# Allegro board gps_interface_boardv49dc.brd (continued)
## Routing (per net, layer and track width the routed paths; a pad name or vN(x,y) marks a point on that pad's centre or on a via; arc(x,y) is an arc through that point) (continued)
FMC.RECOV_DATA_N2: length 188.9
  TOP w0.33: v1(237.81,104.62) 238.25,105.06 238.25,107.73 237.84,108.14 237.84,110.46 237.71,110.59 J18.12
  SIG w0.203: TP58.1 251.21,96.05 251,96.25 240.27,96.25 238.33,98.2 238.33,104.11 v1(237.81,104.62)
  BOTTOM w0.33: J8.H32 138.16,13.7 138.16,27.66 176.01,65.51 186.06,65.51 196.37,75.82 196.37,85.17 203.48,92.28 216.97,92.28 220.55,88.7 229.75,88.7 238.25,97.2 238.25,104.18 v1(237.81,104.62)
FMC.RECOV_DATA_N3: length 164.6
  TOP w0.33: J19.12 208.47,110.59 208.61,110.46 208.61,108.14 209.02,107.73 209.02,105.06 v1(208.58,104.62)
  SIG w0.203: v1(208.58,104.62) 209.08,104.12 209.08,98.59 211.42,96.25 223.65,96.25 223.85,96.05 TP59.1
  BOTTOM w0.33: J8.H35 134.35,13.7 134.35,27.08 175.57,68.3 186.04,68.3 194.11,76.37 194.11,92.7 198.23,96.82 206.41,96.82 209.02,99.43 209.02,104.18 208.7,104.5 v1(208.58,104.62)
FMC.RECOV_DATA_N4: length 143.8
  TOP w0.33: J20.12 186.17,110.59 186.31,110.46 186.31,108.14 186.72,107.73 186.72,105.06 v1(186.28,104.62)
  SIG w0.203: TP60.1 199.77,96.05 199.57,96.25 189.9,96.25 186.78,99.38 186.78,104.12 v1(186.28,104.62)
  BOTTOM w0.33: J8.H38 130.54,13.7 130.54,26.15 176.05,71.65 176.05,86.44 186.72,97.1 186.72,104.18 v1(186.28,104.62)
FMC.RECOV_DATA_N5: length 133.3
  TOP w0.33: v1(131.44,11.14) 131.44,11.76 131.81,12.13 131.81,13.38 130.81,14.38 130.81,25.04 154,48.23 154,84.75 164.59,95.34 164.59,98.86 ; J21.12 164.05,110.59 164.18,110.46 164.18,108.74 164.59,108.33 164.59,98.86 ; 164.59,98.86 v1(164.15,98.42)
  SIG w0.203: v1(164.15,98.42) 164.62,97.96 164.62,97.26 165.62,96.25 177.37,96.25 177.57,96.05 TP61.1
  BOTTOM w0.33: J8.G37 v1(131.44,11.14)
FMC.RECOV_DATA_P0: length 246.4
  TOP w0.33: v1(283.6,104.67) 283.16,105.11 283.16,108 282.75,108.41 282.75,110.51 282.88,110.64 J13.13
  SIG w0.203: v1(283.6,104.67) 283.1,104.17 283.1,100.13 286.57,96.66 297.28,96.66 297.48,96.86 297.48,98.04 TP50.1
  BOTTOM w0.33: v1(283.6,104.67) 283.16,104.23 283.16,96.88 293.42,86.61 293.42,73.82 287.44,67.84 259.18,67.84 251.05,59.72 177.2,59.72 146.32,28.83 146.32,13.7 J8.H25
FMC.RECOV_DATA_P1: length 207.6
  TOP w0.33: J14.13 260.81,110.59 260.68,110.46 260.68,108.36 261.09,107.95 261.09,105.06 v1(261.53,104.62)
  SIG w0.203: v1(261.53,104.62) 260.99,104.08 260.99,101.18 265.51,96.66 273.38,96.66 273.58,96.86 TP51.1
  BOTTOM w0.33: v1(261.53,104.62) 261.09,104.18 261.09,95.79 254.27,88.98 247.53,88.98 245.32,91.19 235.32,91.19 230.9,86.77 218.6,86.77 215.48,89.89 204.34,89.89 198.6,84.16 198.6,75.01 185.56,61.98 176.41,61.98 142.51,28.07 142.51,13.7 J8.H28
FMC.RECOV_DATA_P2: length 188.2
  TOP w0.33: v1(239.23,104.62) 238.79,105.06 238.79,107.95 238.38,108.36 238.38,110.46 238.51,110.59 J18.13
  SIG w0.203: v1(239.23,104.62) 238.73,104.13 238.73,98.36 240.44,96.66 251,96.66 251.21,96.86 TP52.1
  BOTTOM w0.33: v1(239.23,104.62) 238.79,104.18 238.79,96.98 229.97,88.16 220.33,88.16 216.75,91.74 203.7,91.74 196.9,84.95 196.9,75.6 186.28,64.97 176.23,64.97 138.7,27.44 138.7,13.7 J8.H31
FMC.RECOV_DATA_P3: length 163.9
  TOP w0.33: J19.13 209.27,110.59 209.14,110.46 209.14,108.36 209.55,107.95 209.55,105.06 v1(209.99,104.62)
  SIG w0.203: TP53.1 223.85,96.86 223.65,96.66 211.59,96.66 209.49,98.76 209.49,104.12 v1(209.99,104.62)
  BOTTOM w0.33: v1(209.99,104.62) 209.55,104.18 209.55,99.21 206.63,96.29 198.45,96.29 194.64,92.48 194.64,76.15 186.26,67.77 175.79,67.77 134.89,26.86 134.89,13.7 J8.H34
FMC.RECOV_DATA_P4: length 143.1
  TOP w0.33: J20.13 186.97,110.59 186.84,110.46 186.84,108.36 187.25,107.95 187.25,105.06 v1(187.69,104.62)
  SIG w0.203: TP54.1 199.77,98.04 199.77,96.86 199.57,96.66 190.07,96.66 187.19,99.55 187.19,104.12 v1(187.69,104.62)
  BOTTOM w0.33: J8.H37 131.08,13.7 131.08,25.92 176.58,71.43 176.58,86.22 187.25,96.88 187.25,104.18 v1(187.69,104.62)
FMC.RECOV_DATA_P5: length 132.6
  TOP w0.33: v1(165.57,98.42) 165.13,98.86 ; 165.13,98.86 165.13,108.55 164.72,108.96 164.72,110.46 164.85,110.59 J21.13 ; 165.13,98.86 165.13,95.12 154.53,84.53 154.53,48.01 131.34,24.82 131.34,14.61 132.35,13.6 132.35,12.13 132.72,11.76 v1(132.72,11.14)
  SIG w0.203: v1(165.57,98.42) 165.02,97.88 165.02,97.43 165.79,96.66 177.37,96.66 177.57,96.86 TP55.1
  BOTTOM w0.33: J8.G36 v1(132.72,11.14)
FMC.SCL0: length 442.3
  TOP w0.203: v1(70,116.76) TP45.1 80.19,115.01 83.41,115.01 87.14,111.29 U19.5 ; v1(108.81,73.33) 110.26,74.77 U48.16 ; v1(202.56,32.28) 202.96,31.89 202.96,14.29 201.78,13.12 U52.22 197.57,13.12 196.52,12.06 196.52,8.64 198.3,6.86 217.3,6.86 219.15,8.71 219.15,11.91 217.81,13.26 215.94,13.26 U53.22 ; U8.6 v1(30.25,60.68) ; v1(30.25,82.93) 18.34,82.93 17.2,84.07 17.2,88.7 16.74,89.15 U46.2 ; U10.6 66.03,81.55 66.65,82.17 v1(69.98,82.17) ; U13.6 v1(69.98,55.45)
  SIG w0.203: 108.81,63.7 107.67,62.56 101.9,62.56 98.63,65.84 98.63,70.89 97.28,72.24 94.79,72.24 91.9,75.13 77.01,75.13 v1(69.98,82.17) ; 108.81,63.7 108.81,50.65 113.69,45.77 181.56,45.77 184.53,42.8 184.53,33.93 187.96,30.51 200.79,30.51 v1(202.56,32.28) ; 108.81,63.7 v1(108.81,73.33) ; v1(30.25,82.93) v1(30.25,60.68) 35.32,55.61 48.99,55.61 51.59,53.01 67.54,53.01 v1(69.98,55.45)
  BOTTOM w0.203: v1(69.98,55.45) v1(69.98,82.17) 69.98,116.24 70,116.27 v1(70,116.76) ; R90.2 78.08,118.8 78.44,118.44 TP45.1
FMC.SCL1: length 294.8
  TOP w0.203: TP43.1 80.21,111.48 84.51,111.48 86,109.99 U19.7 ; J13.5 284.88,119.1 284.89,119.1 v1(284.89,118.85)
  SIG w0.33: v1(284.89,118.85) 286.61,120.57 287.25,120.57 289.79,123.11 289.79,131.08 284.34,136.53 274.66,136.53 271.84,133.71 268.75,133.71 263.82,138.63 252.08,138.63 249.65,141.07 244.26,141.07 242.56,139.37 227,139.37 221.72,144.65 215.21,144.65 210.46,139.9 203.45,139.9 199.01,144.35 189.89,144.35 185.45,139.9 181.15,139.9 176.66,144.4 169.57,144.4 164.87,139.7 154.13,139.7 149.86,135.43 142.42,135.43 138.13,139.73 107.04,139.73 100.15,132.84 100.15,115.86 99.74,115.44 80.92,115.44 78.71,113.23 TP43.1
  BOTTOM w0.203: TP43.1 77.37,113.23 76.53,114.07 R88.2
FMC.SCL2: length 273.8
  TOP w0.203: J14.5 262.81,119.05 262.81,119.05 v1(262.81,118.8) ; TP41.1 80.26,107.92 84.63,107.92 85.4,108.69 U19.9
  SIG w0.33: TP41.1 78.71,109.7 80.92,111.91 99.9,111.91 102.31,114.32 102.31,131.95 107.93,137.57 137.23,137.57 141.52,133.27 150.75,133.27 155.02,137.54 165.77,137.54 170.46,142.24 175.76,142.24 180.26,137.74 186.34,137.74 190.78,142.19 198.11,142.19 202.56,137.74 211.36,137.74 216.11,142.49 220.82,142.49 226.11,137.21 242.86,137.21 246.12,133.96 249.11,133.96 251.19,136.04 262.7,136.04 266.73,132.02 266.73,121.87 265.71,120.85 264.87,120.85 v1(262.81,118.8)
  BOTTOM w0.203: R86.2 75.03,113.89 76.76,112.17 76.76,110.38 77.43,109.7 TP41.1
FMC.SCL3: length 257.1
  TOP w0.203: J18.5 240.51,119.05 240.51,119.05 v1(240.51,118.8) ; U19.11 87.22,107.39 84.18,104.34 80.31,104.34 TP39.1
  SIG w0.33: v1(240.51,118.8) 242.21,120.5 243.46,120.5 244.3,121.34 244.3,132.16 241.4,135.05 225.21,135.05 219.93,140.34 217,140.34 212.25,135.59 201.67,135.59 197.22,140.03 191.68,140.03 187.23,135.59 179.36,135.59 174.87,140.08 171.36,140.08 166.66,135.38 155.92,135.38 151.65,131.11 140.63,131.11 136.34,135.41 108.82,135.41 104.47,131.05 104.47,113.61 99.24,108.38 80.92,108.38 78.71,106.17 TP39.1
  BOTTOM w0.203: TP39.1 76.99,107.67 73.15,107.67 72.49,108.33 72.49,117.65 73.51,118.67 R84.2
FMC.SCL4: length 133.4
  TOP w0.203: U19.14 99.93,107.39 101.4,105.92 118.16,105.92 TP33.1 ; J19.5 211.27,119.05 211.28,119.05 v1(211.28,118.8)
  SIG w0.203: TP33.1 118.41,106.1 119.58,104.93 123.75,104.93 124.99,103.68 127.51,103.68 129.79,101.4 151.28,101.4 153.52,103.63 157.05,103.63 158.42,102.26 175.34,102.26 176.5,103.43 184.81,103.43 185.34,103.96 185.34,105.26 186.72,106.63 193.19,106.63 204.28,117.72 206.36,117.72 207.12,116.95 208.32,116.95 210.16,118.8 v1(211.28,118.8)
  BOTTOM w0.203: TP33.1 116.18,108.41 R96.1
FMC.SCL5: length 123
  TOP w0.203: U19.16 100.18,108.69 101.83,107.04 115.75,107.04 TP31.1 ; v1(188.98,118.8) 188.98,119.05 188.97,119.05 J20.5
  SIG w0.203: TP31.1 118.47,109.7 120.19,107.98 122.17,107.98 125.43,104.72 127.94,104.72 130.23,102.44 150.85,102.44 153.09,104.67 157.48,104.67 158.85,103.3 174.9,103.3 179.78,108.18 182.25,108.18 183.74,106.68 184.94,106.68 186.44,108.18 191.08,108.18 192.51,109.6 192.51,116.31 191.36,117.45 190.32,117.45 v1(188.98,118.8)
  BOTTOM w0.203: TP31.1 118.21,109.5 114.25,109.5 113.59,110.16 R98.1
FMC.SCL6: length 89.8
  TOP w0.203: J21.5 166.85,119.05 166.85,119.05 v1(166.85,118.8) ; TP34.1 117.83,113.82 110.85,113.82 105.21,108.18 102.26,108.18 100.45,109.99 U19.18
  SIG w0.203: TP34.1 119.68,111.96 124.71,111.96 130,117.25 141.12,117.25 142.34,118.47 144.86,118.47 151.82,125.43 160.1,125.43 161.26,124.26 161.26,122.99 165.46,118.8 v1(166.85,118.8)
  BOTTOM w0.203: TP34.1 118.08,113.56 113.56,113.56 112.76,112.76 R100.1
FMC.SCL_FPGA: length 303.6
  TOP w0.203: v1(95.05,76.45) 93.68,76.45 90.12,72.9 90.12,30.25 105.84,14.53 105.84,10.59 112.19,4.24 139.81,4.24 140.34,4.77 v1(140.34,6.06) ; U49.6 v1(81.61,12.09) ; U19.22 102.1,112.59 106.35,116.84 118.34,116.84 TP25.1
  SIG w0.203: v1(140.34,6.06) 140.34,5.61 138.68,3.96 113.16,3.96 108.94,8.18 108.94,22.94 107.22,24.66 102.69,24.66 101.75,25.6 100.05,25.6 98.91,24.46 98.91,4.07 96.75,1.9 84.33,1.9 81.68,4.55 81.68,8.36 81.27,8.78 80.8,9.25 80.8,11.56 81.33,12.09 v1(81.61,12.09) ; v1(95.05,76.45) 95.05,86.03 101.65,92.63 101.65,94.56 111.66,104.57 111.66,113.18 115.24,116.76 TP25.1
  BOTTOM w0.203: TP25.1 118.43,116.78 R91.2
  BOTTOM w0.33: J8.C30 v1(140.34,6.06)
FMC.SDA0: length 459.7
  TOP w0.203: U13.8 U13.7 70.48,56.35 70.49,56.34 v1(71.09,56.34) ; U48.18 111.51,74.65 111.2,74.35 111.2,71.6 111.05,71.45 v1(111.05,70.92) ; v1(71.09,83.13) 66.7,83.13 66.02,82.45 U10.7 U10.8 ; v1(29.08,83.95) 18.77,83.95 17.98,84.73 17.98,89.64 17.2,90.42 U46.1 ; U19.4 91.62,111.94 91.59,111.91 87.31,111.91 84.96,114.26 84.96,116.1 84.3,116.76 TP44.1 80.01,118.77 72.09,118.77 v1(71.09,117.78) ; U8.8 U8.7 28.58,61.58 28.59,61.57 v1(29.08,61.57) ; U53.23 214.24,12.59 212.6,10.95 212.6,9.19 210.85,7.44 198.65,7.44 197.05,9.04 197.05,11.66 197.86,12.47 U52.23 202.05,12.47 203.61,14.02 203.61,31.93 v1(203.96,32.28)
  SIG w0.203: v1(71.09,83.13) 78.21,76.02 91.82,76.02 95.15,72.69 97.79,72.69 99.29,71.2 99.29,66.09 102.23,63.14 106.93,63.14 107.9,64.11 107.9,73.76 109.12,74.98 111.96,74.98 113.03,73.91 113.03,71.5 112.45,70.92 v1(111.05,70.92) 109.47,69.34 109.47,51.14 114.03,46.58 181.69,46.58 185.19,43.08 185.19,34.26 188.29,31.17 200.03,31.17 202.01,33.15 203.1,33.15 v1(203.96,32.28) ; v1(29.08,83.95) v1(29.08,61.57) 29.08,60.43 34.87,54.64 48.03,54.64 50.24,52.43 68.38,52.43 71.09,55.14 v1(71.09,56.34)
  BOTTOM w0.203: TP44.1 84.33,119.08 R89.2 ; v1(71.09,117.78) v1(71.09,83.13) v1(71.09,56.34)
FMC.SDA1: length 281.7
  TOP w0.203: J13.4 285.68,122.56 v1(286.05,122.94) ; U19.6 86.64,110.64 84.05,113.23 TP42.1
  SIG w0.33: TP42.1 82.04,113.23 83.24,114.43 100.16,114.43 101.17,115.44 101.17,132.42 107.46,138.71 137.7,138.71 142,134.42 150.28,134.42 154.55,138.68 165.29,138.68 169.99,143.38 176.24,143.38 180.73,138.89 185.87,138.89 190.31,143.33 198.59,143.33 203.03,138.89 210.89,138.89 215.64,143.64 221.3,143.64 226.58,138.35 242.98,138.35 244.68,140.06 249.22,140.06 251.66,137.62 263.4,137.62 268.33,132.69 272.26,132.69 275.08,135.51 283.92,135.51 288.77,130.66 288.77,125.01 286.7,122.94 v1(286.05,122.94)
  BOTTOM w0.203: R87.2 85.8,119.28 84.15,117.63 84.15,115.37 TP42.1
FMC.SDA2: length 260.1
  TOP w0.203: J14.4 263.61,122.56 v1(263.98,122.94) ; U19.8 85.43,109.34 85.06,109.7 TP40.1
  SIG w0.33: v1(263.98,122.94) 264.21,123.16 264.9,123.16 265.71,123.97 265.71,131.6 262.28,135.03 251.61,135.03 249.53,132.94 245.69,132.94 242.44,136.19 225.68,136.19 220.4,141.48 216.53,141.48 211.78,136.73 202.14,136.73 197.69,141.17 191.21,141.17 186.76,136.73 179.84,136.73 175.34,141.22 170.89,141.22 166.19,136.53 155.44,136.53 151.18,132.26 141.1,132.26 136.81,136.55 108.35,136.55 103.33,131.53 103.33,113.9 100.32,110.9 83.24,110.9 82.04,109.7 TP40.1
  BOTTOM w0.203: TP40.1 84.94,112.62 84.94,116.84 87.25,119.15 R85.2
FMC.SDA3: length 241.1
  TOP w0.203: U19.10 86.45,108.04 84.58,106.17 TP38.1 ; J18.4 241.31,122.62 v1(241.73,123.04)
  SIG w0.33: TP38.1 82.04,106.17 83.24,107.37 100.48,107.37 105.49,112.37 105.49,130.63 109.25,134.39 135.92,134.39 140.21,130.1 152.07,130.1 156.34,134.37 167.08,134.37 171.78,139.06 174.45,139.06 178.94,134.57 187.65,134.57 192.1,139.01 196.8,139.01 201.24,134.57 212.67,134.57 217.42,139.32 219.51,139.32 224.79,134.04 241.15,134.04 243.48,131.7 243.48,124.04 242.48,123.04 v1(241.73,123.04)
  BOTTOM w0.203: R83.2 88.72,119.48 85.75,116.51 85.75,109.91 TP38.1
FMC.SDA4: length 133.1
  TOP w0.203: v1(212.07,121.87) J19.4 ; U19.13 99.82,106.74 101.93,104.62 120.04,104.62 TP32.1
  SIG w0.203: TP32.1 123.19,106.22 125.21,104.2 127.72,104.2 130.01,101.92 151.07,101.92 153.3,104.15 157.26,104.15 158.64,102.78 175.12,102.78 179.76,107.42 181.94,107.42 183.34,106.02 185.19,106.02 186.59,107.42 193.24,107.42 204.06,118.24 206.58,118.24 207.34,117.47 208.1,117.47 212.07,121.45 v1(212.07,121.87)
  BOTTOM w0.203: TP32.1 123.34,107.92 R97.1
FMC.SDA5: length 120
  TOP w0.203: TP30.1 119.76,107.87 117.47,107.87 116.1,106.5 101.63,106.5 100.09,108.04 U19.15 ; v1(189.77,121.87) J20.4
  SIG w0.203: TP30.1 121.64,109.3 125.66,105.28 128.17,105.28 130.46,102.99 150.62,102.99 152.86,105.23 157.71,105.23 159.08,103.86 174.67,103.86 179.58,108.76 190.3,108.76 191.57,110.03 191.57,114.38 188.34,117.6 188.34,120.44 v1(189.77,121.87)
  BOTTOM w0.203: R99.1 TP30.1
FMC.SDA6: length 85.4
  TOP w0.203: U19.17 100.34,109.34 101.96,107.72 105.51,107.72 111.02,113.23 115.77,113.23 117.04,111.96 120.32,111.96 TP35.1 ; v1(167.65,121.87) J21.4
  SIG w0.203: v1(167.65,121.87) 166.75,122.77 163.46,122.77 159.61,126.62 149.5,126.62 140.72,117.83 129.54,117.83 124.99,113.28 TP35.1
  BOTTOM w0.203: TP35.1 123.37,111.56 R101.1
FMC.SDA_FPGA: length 302.9
  TOP w0.203: U49.5 v1(81.61,10.82) ; U19.23 101.4,113.24 106.25,118.08 120.37,118.08 TP26.1 ; v1(95.05,75.41) 94.18,75.41 91.16,72.39 91.16,29.85 106.4,14.61 106.4,10.92 112.67,4.65 138.86,4.65 139.06,4.85 v1(139.06,6.06)
  SIG w0.203: v1(81.61,10.82) 81.61,9.12 82.17,8.56 82.17,4.75 84.53,2.39 96.55,2.39 98.42,4.27 98.42,24.66 99.85,26.09 101.96,26.09 102.9,25.15 107.42,25.15 109.42,23.14 109.42,8.38 113.36,4.45 138.48,4.45 139.06,5.03 v1(139.06,6.06) ; v1(95.05,75.41) 96.01,76.38 96.01,85.95 102.39,92.33 102.39,94.26 112.39,104.27 112.39,112.88 114.73,115.21 120.04,115.21 TP26.1
  BOTTOM w0.203: TP26.1 121.65,116.83 R92.2
  BOTTOM w0.33: J8.C31 v1(139.06,6.06)
FMC.SFP_TX_DISABLE0: length 203.5
  TOP w0.203: J13.3 v1(286.48,118.88) ; U52.13 v1(199.69,32.74)
  SIG w0.203: v1(199.69,32.74) 199.69,33.78 200.66,34.75 204.32,34.75 205.23,33.83 205.23,32.23 203.89,30.89 203.89,27.94 205.51,26.31 228.09,26.31 256.59,54.81 261.21,54.81 268.76,62.36 296.85,62.36 301.37,66.88 301.37,103.02 292.61,111.79 291.26,111.79 288.49,114.55 287.53,114.55 286.48,115.6 v1(286.48,118.88)
FMC.SFP_TX_DISABLE1: length 161.9
  TOP w0.203: J14.3 v1(264.41,118.82) ; v1(221.74,32.54) 219.89,34.39 200.08,34.39 198.5,32.82 198.5,18.52 198.7,18.32 U52.14
  SIG w0.203: v1(264.41,118.82) 264.41,115.78 265.43,114.76 266.88,114.76 274.02,107.62 274.02,99.24 275.41,97.84 275.41,84.3 270.26,79.15 270.26,70.28 262.81,62.84 252.04,62.84 v1(221.74,32.54)
FMC.SFP_TX_DISABLE2: length 145.8
  TOP w0.203: J18.3 v1(242.11,118.82) ; v1(219.7,35.65) 199.81,35.65 197.23,33.07 197.23,18.14 197.7,17.67 U52.15
  SIG w0.203: v1(242.11,118.82) 242.11,115.52 243.03,114.6 244.65,114.6 251.43,107.82 251.43,99.77 252.96,98.25 252.96,86.77 249.28,83.08 249.28,63.88 221.04,35.65 v1(219.7,35.65)
FMC.SFP_TX_DISABLE3: length 119.9
  TOP w0.203: U52.16 196.93,17.02 196.01,17.93 v1(196.01,32.77) ; J19.3 v1(212.87,118.82)
  SIG w0.203: v1(196.01,32.77) 196.01,34.9 198.55,37.44 198.55,83.29 201.04,85.78 201.04,100.15 199.75,101.45 199.75,112.17 203.35,115.77 204.57,115.77 205.66,114.68 208.48,114.68 209.35,115.54 210.85,115.54 212.87,117.57 v1(212.87,118.82)
FMC.SFP_TX_DISABLE4: length 180.6
  TOP w0.203: J20.3 v1(190.57,118.82) ; v1(212.42,38.81) 212.32,38.91 196.09,38.91 194.89,37.72 194.89,17.07 195.58,16.38 198.65,16.38 198.67,16.37 U52.17
  SIG w0.203: v1(190.57,118.82) 193.12,118.82 195.83,121.54 198.45,121.54 202.31,125.4 204.55,125.4 206.73,123.22 214.86,123.22 215.95,122.12 221.45,122.12 222.17,121.4 222.17,110.69 218.72,107.24 209.22,107.24 207.7,105.71 207.7,104.22 208.51,103.4 208.51,89.03 204.62,85.14 204.62,79.32 206.12,77.83 206.12,68.61 212.42,62.31 v1(212.42,38.81)
FMC.SFP_TX_DISABLE5: length 251.8
  TOP w0.203: U52.18 193.98,15.72 193.78,15.92 v1(193.78,32.72) ; J21.3 v1(168.45,118.82)
  SIG w0.203: v1(193.78,32.72) 187.58,32.72 185.93,34.37 185.93,43.43 182.04,47.32 114.45,47.32 110.06,51.71 110.06,64.95 118.82,73.71 118.82,78.92 120.55,80.64 123.39,80.64 124.54,81.79 125.96,81.79 126.53,82.36 126.53,84.98 118.21,93.29 118.21,101.02 116.1,103.12 116.1,109.91 117.22,111.02 125.3,111.02 125.6,110.72 127.56,110.72 128.3,111.46 128.3,112.7 129.08,113.49 133.5,113.49 134.92,114.91 141.27,114.91 142.98,113.21 151.43,113.21 155.73,117.5 167.84,117.5 168.45,118.11 v1(168.45,118.82)
FMC.SPARE_BNC_0: length 231.8
  TOP w0.203: TP82.1 289.84,34.13 IC2.7
  SIG w0.203: TP82.1 288.54,31.98 285.6,29.03 249.5,29.03 248.33,30.2 246.15,30.2 238.63,22.68 187.38,22.68 183.62,26.44 168.22,26.44 160.5,34.16 127.38,34.16 127.18,33.96 127.18,30.84 128.42,29.59 146.84,29.59 149.78,26.64 149.78,9.74 v1(149.22,9.18)
  BOTTOM w0.33: J8.D23 v1(149.22,9.18)
FMC.SPARE_BNC_1: length 237.7
  TOP w0.203: IC2.6 290.34,34.64 TP83.1
  SIG w0.203: v1(147.96,9.18) 148.97,10.2 148.97,26.37 146.48,28.85 128.24,28.85 126.52,30.58 126.52,34.26 126.94,34.68 160.8,34.68 160.91,34.57 160.91,34.57 168.5,26.98 183.89,26.98 187.76,23.11 238.35,23.11 245.95,30.71 248.54,30.71 249.71,29.54 285.29,29.54 286.56,30.81 286.56,36.25 287.48,37.16 289.46,37.16 290.65,35.97 TP83.1
  BOTTOM w0.33: J8.D24 v1(147.96,9.18)
FMC.SPARE_LEMO_0: length 214.5
  TOP w0.203: IC1.7 282.83,29.94 TP84.1
  SIG w0.203: TP84.1 281.04,31.73 249.03,31.73 248.59,31.29 245.72,31.29 238.03,23.6 187.97,23.6 184.1,27.48 168.7,27.48 161.41,34.78 161,35.18 126.59,35.18 125.86,34.44 125.86,30.23 128.14,27.94 144.25,27.94 146,26.19 146,9.77 v1(145.41,9.18)
  BOTTOM w0.33: J8.D26 v1(145.41,9.18)
FMC.SPARE_LEMO_1: length 218.1
  TOP w0.203: IC1.6 283.33,29.97 TP85.1
  SIG w0.203: TP85.1 283.29,32.56 249.02,32.56 248.31,31.85 245.44,31.85 237.72,24.13 188.06,24.13 184.18,28.02 168.78,28.02 161.11,35.69 126.47,35.69 125.22,34.44 125.22,29.82 128.19,26.85 142.85,26.85 145.11,24.59 145.11,10.15 v1(144.15,9.18)
  BOTTOM w0.33: J8.D27 v1(144.15,9.18)
FMC.SPARE_RJ45_0_N: length 142.1
  TOP w0.33: J17.P3 246.99,19.12 246.99,20.57 246.62,20.95 246.62,24.33 v1(247.06,24.77) 246.62,25.2 246.62,35.93 236.62,45.92 186.39,45.92 167.16,26.7 167.16,14.48 168.05,13.59 168.05,10.54 167,9.5 v1(167,9.18)
  BOTTOM w0.33: J8.D9 v1(167,9.18) ; v1(247.06,24.77) 246.62,24.33 246.62,22.99 245.97,22.35 244.08,22.35 243.43,22.99 243.43,27.28 244.08,27.93 245.14,27.93 245.53,28.32 U5.3
FMC.SPARE_RJ45_0_P: length 139.7
  TOP w0.33: J17.P2 246.46,16.15 246.46,20.35 246.08,20.73 246.08,24.33 v1(245.64,24.77) 246.08,25.2 246.08,35.7 236.4,45.39 186.61,45.39 167.69,26.47 167.69,14.7 168.58,13.81 168.58,10.32 168.35,10.09 168.35,9.26 v1(168.28,9.18)
  BOTTOM w0.33: J8.D8 v1(168.28,9.18) ; v1(245.64,24.77) 246.08,24.33 246.08,23.22 245.75,22.89 244.3,22.89 243.97,23.22 243.97,27.06 244.3,27.39 245.14,27.39 245.53,27 U5.1
FMC.SPARE_RJ45_1_N: length 155.1
  TOP w0.33: J17.P5 249.53,19.12 249.53,20.57 249.44,20.67 249.44,24.33 v1(249.88,24.77) 249.44,25.2 249.44,38.83 240.66,47.6 175.59,47.6 163.37,35.38 163.37,13.85 164.26,12.96 164.26,10.41 163.19,9.35 v1(163.19,9.18)
  BOTTOM w0.33: J8.D12 v1(163.19,9.18) ; U5.6 248.5,27 248.89,27.39 251.05,27.39 251.38,27.06 251.38,23.63 250.55,22.81 249.8,22.81 249.45,23.16 249.45,24.34 v1(249.88,24.77)
FMC.SPARE_RJ45_1_P: length 158
  TOP w0.33: v1(164.47,9.18) 164.47,9.86 164.8,10.19 164.8,13.18 163.91,14.07 163.91,35.16 175.81,47.07 240.44,47.07 248.9,38.61 248.9,25.2 v1(248.46,24.77) 248.9,24.33 248.9,20.45 249,20.35 249,16.15 J17.P4
  BOTTOM w0.33: v1(248.46,24.77) 248.92,24.31 248.92,22.94 249.58,22.28 250.77,22.28 251.91,23.41 251.91,27.28 251.27,27.93 248.89,27.93 248.5,28.32 U5.4 ; J8.D11 v1(164.47,9.18)
FMC.SPARE_RJ45_LED_0: length 306.4
  TOP w0.203: v1(238.04,4.56) Q10.1
  SIG w0.203: v1(140.34,11.14) 140.34,13.67 141.58,14.91 141.58,23.39 139.57,25.4 127.2,25.4 124.61,27.99 124.61,34.85 126.11,36.35 126.16,36.35 126.22,36.41 161.21,36.41 169.06,28.55 184.45,28.55 188.39,24.61 237.31,24.61 245.05,32.35 247.62,32.35 248.53,33.27 277.64,33.27 282.04,37.67 292.89,37.67 294.41,36.14 294.41,20.52 291.57,17.68 272.97,17.68 271.75,18.9 261.57,18.9 256.01,13.34 245.24,13.34 243.94,14.63 241.96,14.63 238.02,10.69 238.02,4.58 v1(238.04,4.56)
  BOTTOM w0.33: J8.G30 v1(140.34,11.14)
FMC.SPARE_RJ45_LED_1: length 275
  TOP w0.203: Q14.1 262.15,14.51 262.14,14.5 v1(261.59,14.5)
  SIG w0.203: v1(139.06,11.14) 139.06,22.4 137.13,24.33 127,24.33 123.95,27.38 123.95,34.85 126.01,36.91 161.54,36.91 169.37,29.08 184.76,29.08 188.8,25.04 237.03,25.04 244.93,32.94 247.37,32.94 248.28,33.86 277.39,33.86 281.66,38.13 293.27,38.13 294.87,36.53 294.87,20.33 291.76,17.22 272.78,17.22 271.57,18.44 263.98,18.44 263.78,18.24 263.78,16.69 v1(261.59,14.5)
  BOTTOM w0.33: J8.G31 v1(139.06,11.14)
FMC.TEMP_INTR*: length 205.5
  TOP w0.203: U46.3 13.03,87.88 12.24,87.1 12.24,82.6 13.06,81.79 v1(31.67,81.79)
  SIG w0.203: v1(31.67,81.79) 31.67,75.21 34.57,72.31 50.95,72.31 52.15,73.51 91.64,73.51 95.28,69.88 95.28,31.11 96.77,29.62 119.53,29.62 122.53,26.62 122.53,24.92 123.88,23.57 135.53,23.57 137.62,21.49 137.62,11.99 138.13,11.48 138.13,10.9 138.58,10.44 141.63,10.44 142.27,11.07 144.08,11.07 v1(144.15,11.14)
  BOTTOM w0.17: J8.G27 v1(144.15,11.14)
FPGA_3V3: length 82.1
  TOP w0.203: C101.1 132.22,8.69 v1(132.72,9.18) 133.16,8.74 C100.1
  BOTTOM w0.343: J8.D40 126.67,9.22 123.95,9.22 120.04,13.13 108.89,13.13 103.48,7.72 97.26,7.72 91.62,13.36 79.05,13.36 C104.1 ; C104.1 C103.1 ; C104.1 C102.1
  BOTTOM w0.381: 131.11,9.19 132.7,9.19 ; 131.11,9.19 128.57,9.19 J8.D40 ; 131.11,9.19 J8.D38 J8.C39 ; 132.7,9.19 v1(132.72,9.18) J8.D36 ; 132.7,9.19 136.86,9.19 J8.D32
FPGA_12V: length 34.2
  TOP w0.33: 131.44,5.26 v1(131.44,6.06) ; 131.44,5.26 133.75,5.26 133.99,5.49 v1(133.99,6.06) ; 131.44,5.26 123.7,5.26 122.35,6.6 v1(122.35,14.71)
  BOTTOM w0.305: C97.1 C99.1 C98.1 120.98,16.08 v1(122.35,14.71)
  BOTTOM w0.381: J8.C35 v1(133.99,6.06) ; J8.C37 v1(131.44,6.06)
GPS_CLK10_N: length 4.1
  TOP w0.165: C39.2 109.65,87.04 109.93,86.76 109.93,86.52 109.81,86.4 R35.2 110.08,86.06 110.08,85.57 110.44,85.22 110.84,85.22 111.01,85.05 U48.64
GPS_CLK10_P: length 4.3
  TOP w0.165: C38.2 110.72,87.04 110.44,86.76 110.44,86.52 110.63,86.33 R35.1 110.46,86.09 110.46,85.73 110.6,85.6 111.08,85.6 111.51,85.17 U48.63
GPS_CLK_IN: length 3.1
  BOTTOM w0.165: R2.1 92.1,137.59 92.71,138.2 J1.1
GPS_GROUP.GPS_CLK_N: length 95.1
  TOP w0.203: U1.10 80.34,129.19 80.31,129.17
  TOP w0.33: 80.31,129.17 80.31,122.32 79.23,121.23 68.13,121.23 65.28,118.38 65.28,108.41 70.87,102.82 107.09,102.82 109.92,99.99 109.92,89.5 109.65,89.23 C39.1
GPS_GROUP.GPS_CLK_P: length 95.1
  TOP w0.203: 80.9,129.17 80.86,129.21 80.86,129.28 80.88,129.3 80.88,131.04 U1.11
  TOP w0.33: 80.9,129.17 80.9,122.15 79.45,120.7 68.35,120.7 65.81,118.16 65.81,108.64 71.09,103.35 107.31,103.35 110.45,100.22 110.45,89.5 110.72,89.23 C38.1
GPS_IRIGB_IN: length 9.5
  TOP w0.203: J4.1 R264.1 63.73,137.06 63.13,136.46 U47.2
GPS_PPS_IN: length 6.3
  TOP w0.203: J5.1 R267.1 16.51,134.34 16.5,134.32 U2.3
GPS_SYNC_IN: length 6.3
  TOP w0.203: U3.3 41.92,134.3 41.91,134.31 R268.1 J6.1
I2C_SW_RST*: length 99.4
  TOP w0.203: U18.10 107.09,35.43 107.07,35.44 v1(107.07,38.26) ; v1(88.57,112.9) 88.89,112.59 U19.3
  BOTTOM w0.203: v1(88.57,112.9) 88.57,100.08 89.03,99.62 89.03,96.2 89.04,96.19 89.04,40.73 91.51,38.26 v1(107.07,38.26)
INTVCC_2V5: length 10
  TOP w0.203: R59.1 54.05,58.14 v1(53.72,58.47) ; v1(53.72,58.47) 53.47,58.47 52.91,57.91 52.91,55.12 53.28,54.74 R60.1 ; v1(53.72,58.47) 54.94,58.47 55.57,57.84 U13.1
  BOTTOM w0.203: C86.1 54.05,58.14 v1(53.72,58.47)
INTVCC_3V3: length 4.8
  TOP w0.203: v1(63.19,76.35) 63.61,76.77 R55.1 63.61,78.78 63.51,78.88 U10.1
  BOTTOM w0.203: C74.1 v1(63.19,76.35)
INTVCC_5V: length 4.6
  TOP w0.203: U8.1 24.13,63.07 23.34,63.86 v1(22.61,63.86) R48.1
  BOTTOM w0.203: v1(22.61,63.86) C59.1
LED_0: length 7.8
  TOP w0.305: Q10.2 239.71,6.46 240.63,5.54 J17.P11
LED_1: length 11.2
  TOP w0.305: J17.P14 259.67,5.54 261.82,7.7 261.82,12 262.43,12.61 Q14.2
LEMO_DIR: length 17
  TOP w0.203: IC1.5 285.14,25.86 v1(285.72,25.27) ; J12.2 J11.2
  BOTTOM w0.203: v1(285.72,25.27) 277.04,25.27 J12.2
MOD_ABS_SFP INTERFACE_ACLK SFP: length 2.9
  TOP w0.203: v1(137.07,121.97) 137.02,121.97 136.81,121.77 J30.6
  BOTTOM w0.203: R2679.2 136.93,122.11 v1(137.07,121.97)